# Altium PCB HV_DAC_8ch-DIOT.PCBDOC (part 10 of 11)
Units mm, origin at the board's own origin, x right, y up, seen from the top; angles counter-clockwise.
Board outline 222.63 x 100.1 mm, 8 copper layers (L1, L2, L3, P4, L5, L6, P7, L8), stack 1.563 mm thick; 971 components, 607 nets, 3066 pads, 1424 vias.
Unrouted connection lines stored in the file: 1.
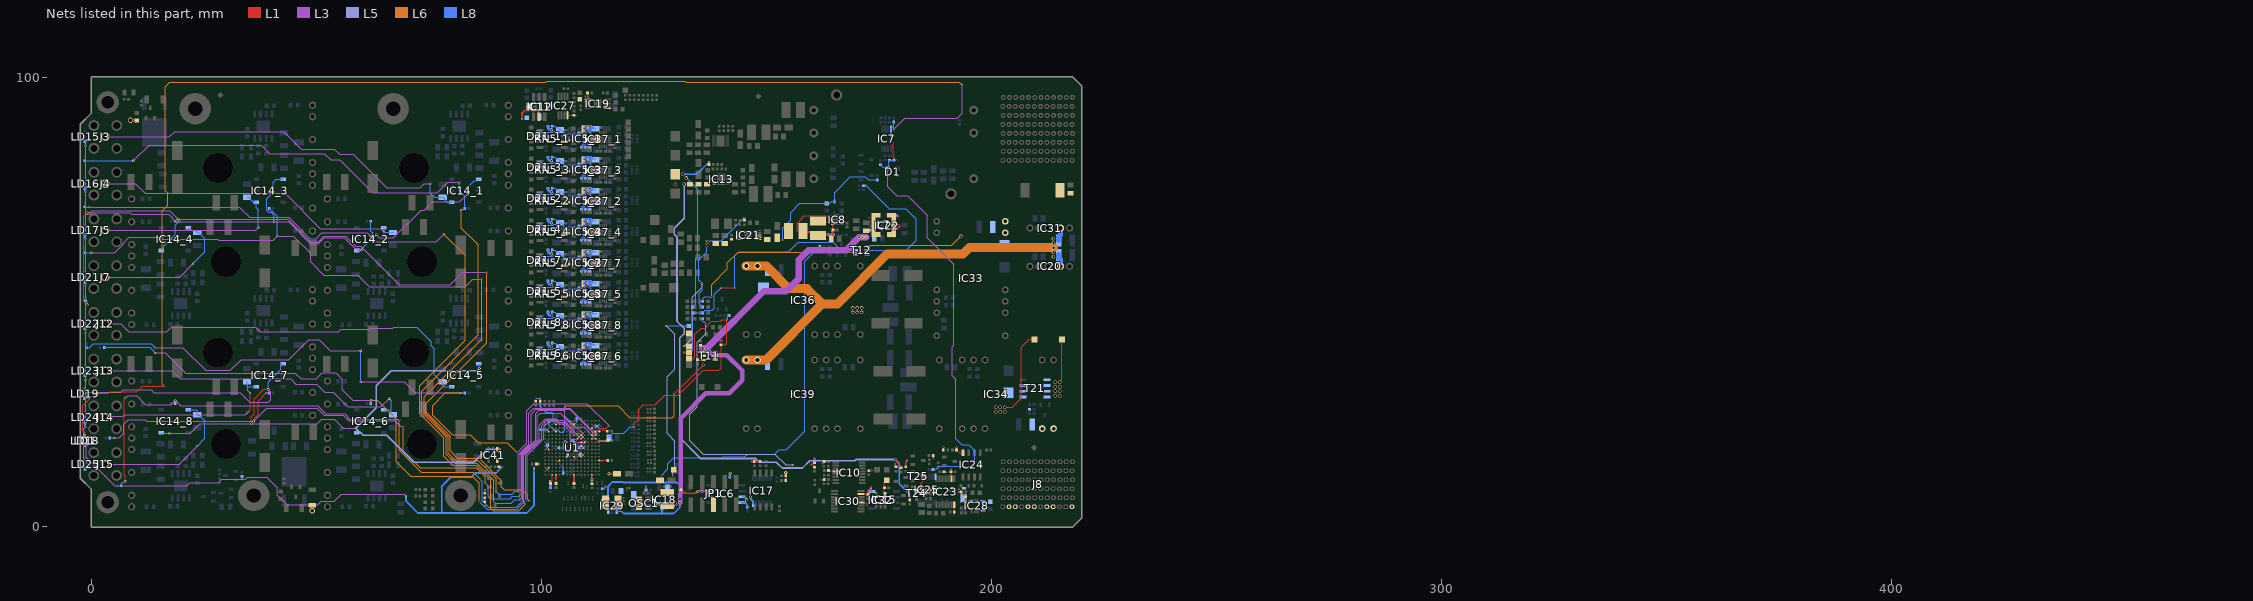
[diagram p16: the nets of this part, all layers, seen from the top]

## Via types
v1: diameter 0.4, hole 0.2, L1 to L8, tented both sides, 1016 vias
v2: diameter 0.8, hole 0.5, L1 to L8, tented both sides, 203 vias
v3: diameter 0.5, hole 0.2, L1 to L8, tented both sides, 117 vias
v4: diameter 0.7, hole 0.4, L1 to L8, tented both sides, 43 vias
v5: diameter 0.4, hole 0.2, L1 to L8, 32 vias
v6: diameter 0.5, hole 0.25, L1 to L8, 6 vias
v7: diameter 0.7, hole 0.4, L1 to L8, 5 vias
v8: diameter 1.2, hole 0.8, L1 to L8, tented both sides, 2 vias

## Nets (pads, with @x,y where several pads share a name; then routed paths per layer and width w, separated by ;. In a path a pad name is that pad's centre, name@x,y a point inside that pad or via, vN(x,y) a via of type N, cw(c..) or ccw(c..) an arc to the next point about the centre after c; other vN are vias at no path point) (continued)
NetR228_1: R228.1 T24.1 T25.3 | length 4.2
  L1 w0.15: T25.3@184.85,11.3 184.85,10.15 184.35,9.65 T24.1@184.35,8.65 185.08,8.65 185.295,8.435 185.315,8.435 185.53,8.22 R228.1@185.53,8.2
NetR274_2: R274.2 R275.1 | length 1
  L1 w0.3: R275.1@87.4,5.57 R274.2@87.4,6.53
NetR297_1_1: R297_1.1 RN5_1.2 | length 1.2
  L1 w0.127: RN5_1.2@105.053,85.636 105.197,85.779 105.942,85.779 R297_1.1@106.103,85.941
NetR297_2_1: R297_2.1 RN5_2.2 | length 1.2
  L1 w0.127: RN5_2.2@105.053,71.863 105.197,72.006 105.942,72.006 R297_2.1@106.103,72.168
NetR297_3_1: R297_3.1 RN5_3.2 | length 1.2
  L1 w0.127: RN5_3.2@105.053,78.749 105.197,78.893 105.942,78.893 R297_3.1@106.103,79.054
NetR297_4_1: R297_4.1 RN5_4.2 | length 1.2
  L1 w0.127: RN5_4.2@105.053,64.976 105.197,65.119 105.942,65.119 R297_4.1@106.103,65.281
NetR297_5_1: R297_5.1 RN5_5.2 | length 1.2
  L1 w0.127: RN5_5.2@105.053,51.203 105.197,51.346 105.942,51.346 R297_5.1@106.103,51.508
NetR297_6_1: R297_6.1 RN5_6.2 | length 1.2
  L1 w0.127: RN5_6.2@105.053,37.43 105.197,37.573 105.942,37.573 R297_6.1@106.103,37.735
NetR297_7_1: R297_7.1 RN5_7.2 | length 1.2
  L1 w0.127: RN5_7.2@105.053,58.089 105.197,58.233 105.942,58.233 R297_7.1@106.103,58.394
NetR297_8_1: R297_8.1 RN5_8.2 | length 1.2
  L1 w0.127: RN5_8.2@105.053,44.316 105.197,44.46 105.942,44.46 R297_8.1@106.103,44.621
OUT0: IC14_1.4 J3.1 R72_1.2 | length 86.1
  L3 w0.127: J3.1@3.04,86.71 17.295,86.71 18.439,87.854 42.721,87.854 46.575,84 53.97,84 55.134,82.836 58.164,82.836 65.6,75.4 73.053,75.4 73.953,76.3 v3(75.3,76.3)
  L8 w0.127: v3(75.3,76.3) 75.3,74.2 76.218,73.282 R72_1.2@78.035,73.282 78.119,73.282 78.63,72.77 78.63,72.489 78.928,72.192 IC14_1.4@80.067,72.192
OUT1: IC14_2.4 J4.1 R72_2.2 | length 69.5
  L3 w0.127: J4.1@3.04,76.323 9.677,76.323 11.859,74.141 42.987,74.141 50.832,66.296 64.203,66.296 v3(65,65.5)
  L8 w0.127: IC14_2.4@64.933,66.554 65,66.487 v3(65,65.5) 66.929,65.5 R72_2.2@66.965,65.464
OUT2: IC14_3.4 J5.1 R72_3.2 | length 42.7
  L3 w0.127: J5.1@3.04,65.936 36.511,65.936 v3(37.075,66.5)
  L8 w0.127: R72_3.2@34.535,73.282 34.86,73.282 35.804,72.338 36.421,72.338 IC14_3.4@36.567,72.192 36.567,71.01 37.075,70.502 v3(37.075,66.5)
OUT3: IC14_4.4 J7.1 R72_4.2 | length 32.2
  L3 w0.127: J7.1@3,55.548 19.549,55.548 v3(22.5,58.5)
  L8 w0.127: IC14_4.4@21.433,66.554 21.633,66.554 22.25,65.937 22.992,65.937 R72_4.2@23.465,65.464 23.79,65.464 25.167,64.087 25.167,61.166 v3(22.5,58.5)
OUT4: IC14_5.4 J12.1 R72_5.2 | length 88.9
  L3 w0.127: J12.1@3,45.161 6.463,45.161 8.226,43.398 16.639,43.398 17.641,44.4 36.5,44.4 37.464,43.436 54.962,43.436 55.512,43.986 61.786,43.986 62.022,44.222 66.949,44.222 67.127,44.4 v1(68.3,44.4)
  L8 w0.127: v1(68.3,44.4) 72.3,44.4 75.5,41.2 75.5,40.3 76.13,39.67 76.13,33.862 77.71,32.282 R72_5.2@78.035,32.282 78.035,31.402 78.245,31.192 IC14_5.4@80.067,31.192
OUT5: IC14_6.4 J13.1 R72_6.2 | length 72.8
  L3 w0.127: J13.1@3,34.774 17.804,34.774 19.679,32.9 44.2,32.9 45.4,31.7 50,31.7 51.8,29.9 53.7,29.9 56.9,26.7 64.296,26.7 v3(66.12,28.525)
  L8 w0.127: IC14_6.4@64.933,26.054 66.592,26.054 ; v3(66.12,28.525) 66.12,28.478 66.592,28.007 66.592,26.054 ; R72_6.2@66.965,24.964 66.592,25.337 66.592,26.054
OUT6: IC14_7.4 J14.1 R72_7.2 | length 41.3
  L1 w0.127: v3(34.662,25.5) 35.208,26.045 v3(35.208,29.795)
  L3 w0.127: J14.1@3,24.387 3.283,24.67 6.97,24.67 7.279,24.979 34.141,24.979 v3(34.662,25.5)
  L8 w0.127: R72_7.2@34.535,32.282 34.535,31.319 34.662,31.192 34.73,31.192 ; v3(35.208,29.795) 34.73,30.272 34.73,31.192 ; IC14_7.4@36.567,31.192 34.73,31.192
OUT7: IC14_8.4 J15.1 R72_8.2 | length 33.7
  L3 w0.127: J15.1@3,14 19.465,14 v3(23.465,18)
  L8 w0.127: IC14_8.4@21.433,26.054 23.255,26.054 23.465,25.844 R72_8.2@23.465,24.964 23.79,24.964 25.167,23.587 25.167,19.701 v3(23.465,18)
OUT_CTRLn0: R118_1.1 R278.2 U1.L3 | length 221.9
  L1 w0.127: U1.L3@111.2,19.6 v1(111.6,20)
  L3 w0.1: v1(95.2,6.1) 95.592,6.492 95.592,16.176 98.7,19.284 98.7,25.2 99.4,25.9 105,25.9 105.2,25.7 105.2,24.621 107.594,22.227 109.373,22.227 v1(111.6,20)
  L3 w0.127: v3(9.25,81.402) 12.748,84.9 37.7,84.9 39.6,83 51.75,83 53.134,81.616 55.184,81.616 62.5,74.3 76.8,74.3 79.1,76.6 v3(81.7,76.6)
  L6 w0.1: v3(82.165,70.442) 82.165,66.435 85.9,62.7 85.9,42.7 73.4,30.2 73.4,25.5 78.8,20.1 78.8,16.2 80.8,14.2 85.6,14.2 89.4,10.4 v1(89.4,5.7)
  L8 w0.1: v1(89.4,5.7) 89.4,5.6 89.7,5.3 93.3,5.3 94.1,6.1 v1(95.2,6.1)
  L8 w0.127: R278.2@-1.524,81.445 -1.503,81.423 9.228,81.423 v3(9.25,81.402) ; v3(81.7,76.6) 81.7,74.709 82.937,73.472 R118_1.1@82.937,70.795 82.937,70.775 82.749,70.586 82.411,70.586 82.266,70.442 v3(82.165,70.442)
OUT_CTRLn1: R118_2.1 R279.2 U1.L6 | length 205.4
  L1 w0.127: U1.L6@108.8,19.6 v1(109.2,20)
  L3 w0.1: v1(96.4,5.1) 96.1,5.4 96.1,16.042 99.5,19.442 99.5,22.667 100.887,24.054 103.288,24.054 103.642,23.7 104.921,23.7 107.127,21.494 107.127,21.273 107.6,20.8 108.4,20.8 v1(109.2,20)
  L3 w0.127: v3(-0.496,71.128) 32.835,71.128 35.163,68.8 43.8,68.8 48.5,64.1 49.9,64.1 51.154,65.354 61.246,65.354 v3(61.9,64.7) 63.2,63.4 76.6,63.4 v1(78.3,65.1)
  L6 w0.1: v1(78.3,65.1) 83,60.4 83,41.5 72.9,31.4 72.9,25.2 78.3,19.8 78.3,15.7 80.3,13.7 85.5,13.7 88.7,10.5 88.7,4.2 89.3,3.6 94.9,3.6 v1(96.4,5.1)
  L8 w0.127: R279.2@-1.524,71.158 -1.494,71.128 v3(-0.496,71.128) v3@-0.511,71.143 ; v3(61.9,64.7) 62.446,65.246 62.446,65.372 62.063,65.755 R118_2.1@62.063,67.951
OUT_CTRLn2: R118_3.1 R280.2 U1.M2 | length 208
  L1 w0.127: U1.M2@112,20.421 112.026,20.421 112.287,20.681 v1(112.292,20.681)
  L3 w0.1: v1(94.8,7.9) 94.8,16.026 97.2,18.426 97.2,25.3 98.254,26.354 106.326,26.354 111.049,21.632 111.342,21.632 v1(112.292,20.681)
  L3 w0.127: v3(-0.092,60.968) 5.119,60.968 6.971,62.82 6.971,63.072 8.279,64.381 15.451,64.381 15.819,64.014 27.98,64.014 28.222,63.771 40.383,63.771 v3(41.292,64.681) 44.84,64.681 48.671,60.85 48.671,58.929 51.6,56 59.1,56 61.7,53.4 83,53.4 84.7,55.1 v1(86.7,55.1)
  L6 w0.1: v1(86.7,55.1) 86.7,41.7 73.9,28.9 73.9,25.5 79.3,20.1 79.3,16.4 80.983,14.717 85.883,14.717 89.9,10.7 89.9,9.3 v1(89.9,7.9)
  L8 w0.1: v1(89.9,7.9) 90.5,7.3 93.5,7.3 94.1,7.9 v1(94.8,7.9)
  L8 w0.127: R280.2@-1.524,60.998 -1.494,60.968 v3(-0.092,60.968) v3@-0.107,60.983 ; R118_3.1@39.437,70.795 39.437,70.775 39.958,70.254 40.063,70.254 41.292,69.025 v3(41.292,64.681)
OUT_CTRLn3: R118_4.1 R281.2 U1.K5 | length 224.2
  L1 w0.127: v3(-0.916,49.446) -1.016,49.446 -1.191,49.621 -1.274,49.621 -1.797,50.144 -1.797,69.053 v3(-0.916,69.934) ; U1.K5@109.6,18.821 109.61,18.821 109.952,19.162 v1(109.952,19.173)
  L3 w0.1: v1(97.3,5.7) 96.8,6.2 96.8,15.9 100.5,19.6 100.5,22.3 101.8,23.6 103.1,23.6 103.8,22.9 104.7,22.9 106.4,21.2 106.4,19.6 107.2,18.8 109.579,18.8 v1(109.952,19.173)
  L3 w0.127: v3(-0.916,69.934) -0.367,69.934 -0.001,70.3 17.357,70.3 19.246,68.411 43.568,68.411 48.678,63.3 50.339,63.3 51.636,64.597 56.447,64.597 58.673,62.371 59.847,62.371 68.418,53.8 79.7,53.8 82.5,56.6 v1(87.8,56.6)
  L6 w0.1: v1(87.8,56.6) 87.8,40.9 74.3,27.4 74.3,25.6 79.7,20.2 79.7,16.9 81.3,15.3 86.1,15.3 91.1,10.3 91.1,8.9 91.7,8.3 95.6,8.3 96.9,7 96.9,6.1 v1(97.3,5.7)
  L8 w0.127: R281.2@-1.399,50.28 -1.379,50.28 -1.153,50.053 -1.153,49.784 -0.916,49.547 v3(-0.916,49.446) ; R118_4.1@18.563,67.951 18.563,67.971 18.947,68.355 19.159,68.355 v3(19.231,68.426)
OUT_CTRLn4: R118_5.1 R282.2 U1.N2 | length 165.8
  L1 w0.127: U1.N2@112,21.2 112.409,21.61 113.096,21.61 113.395,21.908 114.362,21.908 114.954,22.5 v1(115,22.5)
  L3 w0.1: v1(94.6,16.5) 96.7,18.6 96.7,25.8 98.3,27.4 110.1,27.4 v1(115,22.5)
  L3 w0.127: v3(14.045,39.894) 20.206,39.894 25.3,34.8 30.8,34.8 33.2,37.2 43.8,37.2 48.209,41.609 50.591,41.609 53,39.2 v3(59.8,39.2) ; v3(59.787,32.25) 69.517,32.25 71.972,29.795 v3(82.165,29.795)
  L6 w0.127: v3(82.165,29.795) 78.595,29.795 75.8,27 75.8,24.8 80.1,20.5 84.1,20.5 85.9,18.7 92.4,18.7 v1(94.6,16.5)
  L8 w0.127: R282.2@-0.924,40.036 R282.2@-1.15,39.81 -0.59,39.81 0.3,40.7 13.239,40.7 v3(14.045,39.894) v3@13.944,39.894 ; v3(59.787,32.25) 59.787,39.187 v3(59.8,39.2) ; v3(82.165,29.795) R118_5.1@82.937,29.795
OUT_CTRLn5: R118_6.1 R283.2 U1.L7 | length 150
  L1 w0.127: U1.L7@108.004,19.621 108.356,19.973 v1(108.356,19.99)
  L3 w0.1: v1(96.5,5.9) 96.5,16.121 100,19.621 100,22.5 101.327,23.827 103.194,23.827 103.721,23.3 104.9,23.3 106.7,21.5 106.7,21.1 107.3,20.5 107.846,20.5 v1(108.356,19.99)
  L3 w0.127: v3(14.1,38.7) 16.4,38.7 20.9,34.2 45.3,34.2 46.6,32.9 49.9,32.9 51.3,34.3 54.2,34.3 55.7,32.8 55.7,30.5 58.019,28.181 v3(62.146,28.181)
  L6 w0.1: v3(62.146,28.181) 63.519,28.181 67.7,24 67.7,14.5 70.9,11.3 84.6,11.3 86.2,9.7 v1(86.2,5.6)
  L8 w0.1: v1(86.2,5.6) 87.9,3.9 94.5,3.9 v1(96.5,5.9)
  L8 w0.127: R283.2@2.77,39.9 12.9,39.9 v3(14.1,38.7) ; R118_6.1@62.063,27.451 62.104,27.492 62.104,28.139 v3(62.146,28.181)
OUT_CTRLn6: R118_7.1 R284.2 U1.M3 | length 153.7
  L1 w0.127: v3(36,23.5) 36,23.9 37.008,24.908 37.008,28.003 v3(38.8,29.795) ; U1.M3@111.2,20.421 111.202,20.421 111.561,20.78 v1(111.561,20.799)
  L3 w0.1: v1(95,6.8) 95.3,7.1 95.3,16.205 97.7,18.605 97.7,25.1 98.727,26.127 106.232,26.127 v1(111.561,20.799)
  L3 w0.127: v3(5,19.8) 6.1,19.8 7.121,20.821 7.121,22.871 8.093,23.843 11.906,23.843 12.25,23.5 v3(36,23.5) 38.869,26.369 50.131,26.369 51.7,24.8 55.9,24.8 57.1,23.6 67.4,23.6 68.6,22.4 v1(69.3,22.4)
  L6 w0.1: v1(69.3,22.4) 69.3,16.9 73,13.2 85.5,13.2 87.5,11.2 v1(87.5,9.8)
  L8 w0.1: v1(87.5,9.8) 88.2,9.1 88.2,6.7 88.6,6.3 93,6.3 93.5,6.8 v1(95,6.8)
  L8 w0.127: R284.2@4.026,19.8 v3(5,19.8) ; v3(38.8,29.795) R118_7.1@39.437,29.795
OUT_CTRLn7: R118_8.1 R285.2 U1.M6 | length 160.6
  L1 w0.127: v3(7.5,10.144) 7.5,11.298 7.287,11.51 7.287,28.428 7.5,28.64 v3(7.5,28.721) ; U1.M6@108.8,20.421 108.817,20.421 109.152,20.756 v1@109.152,20.773
  L3 w0.1: v1(95.4,5.4) 95.819,5.819 95.819,16.082 99.1,19.363 99.1,24.7 99.7,25.3 104.2,25.3 107.5,22 107.997,22 v1(109.195,20.803)
  L3 w0.127: v3(7.5,28.721) 7.979,29.2 10,29.2 12,27.2 17.661,27.2 v3(18.593,28.132) 19.825,26.9 50.3,26.9 52,25.2 56.2,25.2 57.4,24 68,24 v1(68.4,23.6)
  L6 w0.1: v1(68.4,23.6) 68.4,17.1 73.3,12.2 84.866,12.2 v1@86.533,10.533
  L8 w0.1: v1(86.5,10.5) 86.8,10.2 86.8,5.8 88.227,4.373 94.373,4.373 v1(95.4,5.4)
  L8 w0.127: R285.2@6.612,9.144 6.612,9.644 7.059,10.092 7.448,10.092 v3(7.5,10.144) ; R118_8.1@18.563,27.451 18.593,27.481 v3(18.593,28.132)
OUT_SW_VCC: IC14_1.1 IC14_2.1 IC14_3.1 IC14_4.1 IC14_5.1 IC14_6.1 IC14_7.1 IC14_8.1 IC41.1 LD15.2 LD16.2 LD17.2 LD21.2 LD22.2 LD23.2 LD24.2 LD25.2 | length 385.8
  L1 w0.127: v3(35.5,23) 35.5,24.5 36.1,25.1 36.1,28.4 38.297,30.597 v3(39.25,30.597)
  L1 w0.3: IC41.1@90.152,17.295 90.795,17.295 v1(90.8,17.3)
  L3 w0.127: v3@-1.356,63.852 v3(-1.356,53.665) v3(-1.356,43.115) v3(-1.356,32.75) -1.356,29.902 ; v3(-1.356,64.014) -1.356,69.494 ; v3(-1.356,84.75) v3(-1.356,74.47) -1.356,69.494 ; v3(-0.405,13.165) -0.405,13.654 -1.75,15 -1.75,21.856 v3(-1.356,22.25) -1.356,29.902 ; v3(17.242,20.864) 21.864,20.864 24,23 v3(35.5,23) 50.168,23 51.168,24 53.882,24 55.882,22 v3(58.75,22) ; v3(39.25,30.597) 39.854,29.993 39.854,29.742 39.75,29.638 39.75,28.284 39.216,27.75 38.5,27.75 38.481,27.769 35.107,27.769 32.991,29.884 13.816,29.884 13.2,30.5 7,30.5 6.403,29.902 -1.356,29.902 ; v3(59.98,61.5) 59.48,62 58.5,62 56.156,64.343 51.741,64.343 50.398,63 48.619,63 43.759,67.86 v3(40.504,67.86) v3(19.5,67.86) 18.74,67.86 17.1,69.5 8.895,69.5 8.529,69.866 -0.076,69.866 -0.448,69.494 -1.356,69.494 ; v3(63.25,65) 63.97,64.279 67.024,64.279 73.209,70.465 73.965,70.465 75.75,72.25 81.864,72.25 83.57,73.956 v3(83.57,73.982)
  L5 w0.3: v3(86.25,35.25) 85.7,34.7 66.6,34.7 63.3,31.4 63.3,26.55 v3(58.75,22) 60.35,20.4 65.6,20.4 71.6,14.4 84.9,14.4 87.8,17.3 v1(90.8,17.3)
  L8 w0.127: LD25.2@-1.5,13 -1.335,13.165 v3(-0.405,13.165) ; LD24.2@-1.5,23.387 -1.5,22.495 -1.356,22.351 v3(-1.356,22.25) ; LD23.2@-1.5,33.774 -1.356,33.63 v3(-1.356,32.75) ; LD22.2@-1.5,44.161 -1.356,44.017 v3(-1.356,43.115) ; LD21.2@-1.5,54.548 -1.356,54.404 v3(-1.356,53.665) ; LD17.2@-1.5,64.936 -1.5,64.259 -1.356,64.115 v3(-1.356,64.014) ; LD16.2@-1.5,75.323 -1.5,74.715 -1.356,74.571 v3(-1.356,74.47) ; LD15.2@-1.5,85.71 -1.356,85.566 v3(-1.356,84.75) ; IC14_8.1@15.433,20.974 15.543,20.864 v3(17.242,20.864) ; IC14_4.1@15.433,61.474 15.633,61.474 15.969,61.81 15.969,62.406 18.563,65 18.563,67.081 19.341,67.86 v3(19.5,67.86) ; v3(39.25,30.597) 39.25,32.123 42.031,34.903 42.031,35.935 42.367,36.272 IC14_7.1@42.567,36.272 ; v3(40.504,67.86) 40.504,69.454 39.958,70 39.363,70 38.957,70.406 38.957,72.987 40.363,74.394 40.363,76.587 41.048,77.272 IC14_3.1@42.567,77.272 ; v3(58.75,22) 58.75,21.899 58.933,21.716 IC14_6.1@58.933,20.974 ; IC14_2.1@58.933,61.474 58.959,61.5 v3(59.98,61.5) 60.051,61.571 60.051,61.801 v3(63.25,65) ; v3(83.57,73.982) 83.57,75.478 85.027,76.935 85.731,76.935 IC14_1.1@86.067,77.272 ; IC14_5.1@86.067,36.272 86.067,35.534 86.25,35.351 v3(86.25,35.25)
P1V2: C22.2 C23.2 C24.2 C25.2 C72.2 C73.1 C74.2 C75.2 C82.1 L1.2 R76.2 R111.1 R112.2 R145.1 R234.2 TP5.1 U1.A14 U1.F6 U1.F10 U1.K6 U1.K10 U1.L2 | length 80.2
  L1 w0.127: v1(101.888,10.211) 101.888,9.762 C23.2@102,9.65 102.246,9.896 102.246,10.017 102.4,10.17 102.4,11.493 U1.A14@102.413,11.506 ; v1(105.258,19.126) 105.266,19.126 105.592,18.8 U1.K10@105.6,18.8 ; v1(105.283,15.265) 105.283,15.274 105.6,15.591 U1.F10@105.6,15.6 ; U1.F6@108.8,15.621 108.821,15.621 109.152,15.952 v1@109.152,15.973 ; U1.K6@108.8,18.8 108.8,18.804 109.169,19.173 v1(109.169,19.177) ; U1.L2@112,19.6 112,19.583 112.379,19.204 v1(112.379,19.187) ; v1@112.395,19.202 114.554,19.202 C22.2@114.605,19.253
  L1 w0.2: v1(120.543,22.228) 120.543,22.943 121.6,24 121.6,26.2 122.6,27.2 125.3,27.2 127.4,29.3 130.4,29.3 135.9,34.8 139.4,34.8 139.925,35.325 R145.1@139.925,40.48 140.88,40.48 141.2,40.8 v1(141.2,46.1) 140.2,46.1 139.8,45.7 137.717,45.7 137.2,45.183 137.2,45 136.4,44.2 135.5,44.2 134.1,42.8 134.1,37.8 133.7,37.4 TP5.1@132.8,37.4
  L8 w0.1: v1(104.4,13.6) 104.83,13.17 R112.2@104.83,12
  L8 w0.127: 101.879,9.398 101.888,9.407 v1(101.888,10.211) ; R111.1@104.089,17.577 104.096,17.584 105.134,17.584 C75.2@105.15,17.6 ; R112.2@104.654,12.136 R112.2@104.739,12.051 ; C75.2@105.181,17.678 105.072,17.678 104.904,17.846 104.904,18.191 104.893,18.202 104.893,18.761 v1(105.258,19.126) ; 105.335,15.485 105.766,15.916 C24.2@105.766,15.926 ; C25.2@108.55,16 v1(109.2,16) ; v1(112.379,19.187) 112.395,19.202 114.579,19.202 C72.2@114.605,19.228 ; R234.2@113.5,8.47 113.97,8.47 114.188,8.688 114.188,8.938 v1(114.241,8.99)
  L8 w0.2: C72.2@115.019,19.838 115.019,20.013 115.806,20.8 118.3,20.8 119.728,22.228 v1(120.543,22.228) ; v1(141.2,46.1) 141.2,46.137 141.38,46.317 141.38,46.69 141.67,46.98 R76.2@141.67,47
  L8 w0.508: v1(101.888,10.211) 102,10.099 C74.2@102,8.75
  other v1: 118.2,5.1 118.2,5.8 118.196,6.477 118.876,8.161 119.075,8.663 119.583,8.663
P1V2LX: IC29.3 L1.1 | length 0.1
  L1 w0.127: L1.1@114.175,5.505 L1.1@114.25,5.43
  other v1: 113.8,3.7 114.3,3.7
P2V5: C33.1 C43.2 C76.2 C78.2 C79.2 C80.2 C258.1 L15.2 R152.2 R162.1 R381.2 TP10.1 U1.E1 U1.E12 U1.G6 U1.J6 U1.N1 | length 129.5
  L1 w0.127: C78.2@98.85,14 98.866,14.016 v1(99.466,14.016) ; v1@103.648,14.427 103.648,14.448 103.979,14.779 U1.E12@104,14.779 ; v1@108.427,16.752 108.448,16.752 108.779,16.421 U1.G6@108.779,16.4 ; U1.J6@108.8,18.021 108.824,18.021 109.152,18.349 v1@109.152,18.373
  L1 w0.254: U1.E1@112.8,14.8 C43.2@114.7,14.8 ; U1.N1@112.8,21.2 112.828,21.228 113.211,21.228 113.257,21.273 v1(113.296,21.273) ; v1@113.316,21.237 113.364,21.285 113.388,21.285 113.693,21.59 114.069,21.59 114.195,21.465 114.442,21.465 C80.2@114.625,21.282
  L5 w0.2: v1(127.7,44.7) 129.6,42.8 129.6,35.1 127.9,33.4 127.9,20.8 129.6,19.1 129.6,13.3 129.2,12.9 v1(129.2,11.4)
  L8 w0.127: C79.2@108.375,17.601 v1@108.375,18.351 ; v1@108.587,18.313 C76.2@109.283,17.618
  L8 w0.2: v1(126.6,11.4) 128.1,12.9 128.1,14.1 129.4,15.4 140.2,15.4 140.4,15.6 145.2,15.6 145.8,16.2 151.9,16.2 152.9,17.2 154.4,17.2 158.5,21.3 158.5,59.07 161.62,62.19 161.64,62.19 161.83,62.38 R162.1@161.83,62.4 ; v1(127.7,44.7) R152.2@132.7,44.7
  L8 w0.254: R381.2@123.25,8.22 v1(123.25,9) ; v1(127.25,9) C258.1@127.75,9 ; C258.1@128.25,9 v1(128.75,9)
  other v1: 103.6,14.4 113.318,14.707 108.4,16.8 108.408,18.389 109.195,18.389
P2V5LX: IC18.3 L15.1 | length 5.9
  L1 w0.254: v1(129.75,4.5) 128.286,4.5 L15.1@127.991,4.795 128.483,5.288 129.364,5.288 129.624,5.028 129.972,5.028 v1(130,5)
  L8 w0.254: IC18.3@128.55,5.05 128.75,5.05 129.327,5.05 129.75,4.627 v1(129.75,4.5) ; 129.908,5.191 130,5.099 v1(130,5)
  other v1: 129.801,5.485
P3V3: C16.2 C17.2 C52.1 C53.2 C54.2 C55.2 C56.2 C57.2 C67.2 C70.2 C71.2 C85.2 C86.2 C170.2 IC6.3 IC6.7 IC6.8 IC41.5 JP1.6 LD1.2 LD18.2 LD19.2 OSC1.1 OSC1.4 R36.1 R49.2 R50.2 R51.1 R52.1 R53.1 R54.1 R74.1 R78.1 R103.2 R159.1 R204.2 T12.1 T12.2 T12.5 T12.6 TP11.1 U1.A3 U1.A8 U1.A13 U1.C15 U1.F8 U1.H10 U1.H15 U1.K8 U1.N15 U1.P3 U1.R8 U1.R13 | length 302.9
  L1 w0.1: v1(131.7,38.8) TP11.1@132.8,38.8
  L1 w0.15: v1(-0.5,19.6) -0.548,19.648 -0.548,19.848 -0.894,20.194 LD18.2@-1.6,20.194 -1.6,21.1 -2,21.5 -2,26.9 -0.5,28.4 v1(-0.5,28.8)
  L1 w0.2: v1(139.9,53.2) v1(143,53.2)
  L1 w0.254: v1(98.7,28.6) 98.7,27.96 R36.1@98.71,27.95 ; v1(99.7,28.6) 99.7,27.96 R53.1@99.71,27.95 ; v1(101.295,17.475) 101.31,17.475 101.585,17.2 U1.H15@101.6,17.2 ; v1@102.827,23.152 102.848,23.152 U1.R13@103.2,22.8 ; v1(105.258,16.866) 105.262,16.866 105.596,17.2 U1.H10@105.6,17.2 ; U1.K8@107.2,18.8 107.552,19.152 v1@107.552,19.172 ; U1.R8@107.2,22.8 v1@107.552,23.152 ; U1.P3@111.2,22 111.21,22 111.61,22.4 v1(111.619,22.4) ; OSC1.1@121.66,4.455 121.66,5.938 OSC1.4@122.022,6.299 ; OSC1.4@122.022,6.325 122.047,6.299 v1(122.631,6.299)
  L1 w0.381: v1@101.191,12.791 U1.C15@101.6,13.2 ; v1@101.2,21.601 U1.N15@101.6,21.201 ; C71.2@103.2,9.65 103.267,9.717 103.267,10.702 103.2,10.769 U1.A13@103.2,11.6 ; C57.2@107.2,9.65 107.21,9.66 107.21,11.065 107.212,11.067 107.204,11.075 107.204,11.596 U1.A8@107.2,11.6 ; U1.F8@107.2,15.6 v1(107.6,15.2) ; C70.2@111.2,9.6 111.19,9.61 111.19,11.59 U1.A3@111.2,11.6 ; v4(114.98,11.817) 116.643,11.817 C52.1@116.802,11.976 ; R51.1@131,8.28 131.02,8.28 131.8,7.5 134.134,7.5 134.559,7.925 v4(134.645,7.925) 136.3,7.925 138.001,6.223 JP1.6@138.151,6.223 ; R49.2@154.292,10.363 R50.2@154.292,11.379 v4(154.292,12.065) ; v1(178.598,13.94) 178.598,13.935 178.659,13.874 178.659,13.448 178.758,13.348 R78.1@178.778,13.348 ; R74.1@180.988,13.349 180.988,14.502 181.238,14.752 v1(181.238,14.757)
  L3 w0.15: v1(-0.5,19.6) -1.2,18.9 -1.2,15.5 5.14,9.16 21.16,9.16 21.8,9.8 28.1,9.8 28.93,10.63 v1(33.4,10.63) 34.13,10.63 34.6,11.1 38.9,11.1 41.3,8.7 41.3,7.1 43.5,4.9 50.2,4.9 51,5.7 53.9,5.7 55.5,7.3 69.5,7.3 v1(69.9,6.9)
  L3 w0.381: v1(178.598,13.94) v1@178.598,13.945
  L8 w0.1: v1(131.7,38.8) 133.1,38.8 133.67,39.37 R159.1@133.67,47.6
  L8 w0.127: v1(172.151,75.882) 177.333,70.7 181,70.7 183.3,68.4 183.3,63.7 181.1,61.5 T12.5@172.4,61.5
  L8 w0.15: LD1.2@-1.6,18.193 -0.907,18.193 -0.5,18.6 v1(-0.5,19.6) ; LD19.2@-1.6,28.58 -0.72,28.58 v1(-0.5,28.8)
  L8 w0.2: R159.1@133.67,47.6 R54.1@135.83,47.6 135.83,47.62 136.02,47.81 136.04,47.81 136.43,48.2 138,48.2 138.4,48.6 138.4,51.7 v1(139.9,53.2) ; v1(143,53.2) 143,60.3 143.9,61.2 155,61.2 157.1,63.3 164.8,63.3 166.2,61.9 168.2,61.9 168.6,61.5 T12.2@169.8,61.5
  L8 w0.254: v1(33.4,10.63) R52.1@33.4,11.23 ; v1(98.7,28.6) v1(99.7,28.6) 99.7,26.7 100.9,25.5 102.3,25.5 102.6,25.2 102.6,23.4 v1(102.827,23.173) 102.827,23.177 C54.2@103.3,23.65 ; C85.2@122.26,5.325 122.26,5.889 122.631,6.26 v1(122.631,6.299) ; R103.2@171.586,75.883 v1(172.151,75.882)
  L8 w0.381: C53.2@99.923,21.602 v1(101.2,21.602) ; v1@101.285,17.481 101.29,17.475 v1(101.295,17.475) 101.295,17.48 101.3,17.485 C55.2@101.3,18.25 ; C56.2@106.8,19.25 106.846,19.204 107.596,19.204 v1(107.6,19.2) ; 107.725,23.351 107.725,23.981 C16.2@107.844,24.1 ; v1(111.619,22.4) C67.2@112.35,22.4 ; v4(134.645,7.925) 134.691,7.97 135.631,7.97 C17.2@135.636,7.976 ; C17.2@135.7,8.015 135.72,7.996 137.115,7.996 IC6.3@137.16,7.95 ; IC6.3@137.643,8.001 IC6.3@137.863,8.001 ; R204.2@141.821,11.125 141.881,11.185 141.881,11.809 v4(141.94,11.869) ; IC6.8@144.28,5.545 144.389,5.436 IC6.8@144.589,5.436 144.698,5.326 145.424,5.326 145.631,5.119 145.631,4.569 C86.2@145.75,4.45 ; IC6.7@144.805,6.731 145.063,6.731 145.506,6.288 145.506,6.132 v4(145.567,6.071) 145.567,6.02 IC6.8@145.11,5.563
  L8 w0.4: v1(69.9,6.9) 69.9,5.7 72.5,3.1 96.7,3.1 98.3,4.7 v1(98.3,12.5) v1(98.3,13.1) ; 77.8,3.1 77.8,9.1 79.8,11.1 84.4,11.1 85.3,12 89.9,12 v1(90.6,12.7) v1(91.3,13.4)
  other v1: 103.271,10.278 107.213,11.06 101.2,12.802 107.569,23.19
  other v2: 169.2,47.7 170.2,47.7 171.2,47.7 169.2,48.7 170.2,48.7 171.2,48.7
  other v4: 111.23,10.501
P3V3_buck: C81.2 C110.2 C121.2 C257.2 IC18.4 IC29.1 IC29.4 L7.2 R17.2 R23.2 R151.2 T11.4 T12.4 | length 140.6
  L3 w1: v4(130.8,5.4) v4(130.8,6.2) 130.8,7.4 131,7.6 131,24.2 136.5,29.7 141.7,29.7 144.6,32.6 144.6,34.8 141.2,38.2 138.1,38.2 v4(136.6,39.7)
  L3 w1.5: v4(135.8,39.7) v4(136.6,39.7) ; v4@136.7,39.7 149.4,52.4 154.4,52.4 157.2,55.2 157.2,59.4 159.3,61.5 167.7,61.5 v7(170.6,64.4) v7(171.4,64.4) v7(172.2,64.4)
  L8 w0.381: C81.2@113.5,5.95 113.55,6 114.75,6 IC29.4@114.8,6.05 114.8,9.05 115.75,10 118,10 118.108,9.892 130.108,9.892 131,9 131,7.3 130.8,7.1 v4(130.8,5.4) 130.8,4.435 129.362,2.997 127.965,2.997 ; IC29.1@116.7,3.45 116.75,3.5 117.747,3.5 118.25,2.997 127.965,2.997 ; IC18.4@125.95,5.05 126.06,4.94 126.31,4.94 126.681,4.569 C257.2@126.681,4.069 ; 126.75,3 126.8,3.05 C257.2@126.8,4
P3V3_DIOT: C11.2 C95.2 C109.1 D7.2 IC23.2 IC23.14 IC24.8 IC28.5 R171.2 R183.2 R187.1 R222.1 R224.1 R225.1 R228.2 R229.1 | length 11.9
  L1 w0.15: R183.2@191.03,12.3 191.03,10.77 IC23.2@191.1,10.7 ; R229.1@193.33,7.8 193.33,7.78 193.545,7.565 193.565,7.565 193.8,7.33 193.8,7.2 194.055,6.945 194.055,6.915 R222.1@194.27,6.7 R187.1@194.27,5.6
  L1 w0.2: R228.2@186.47,8.2 v1(186.47,8.75) ; v1(187.07,15.35) R171.2@187.07,15.9 ; R225.1@189.33,17.1 v1(189.33,17.65) ; R224.1@189.47,12.3 v1(190.02,12.3) ; R183.2@191.03,12.3 v1(191.03,12.85) ; v1(191.75,2.75) C11.2@191.75,3.3 IC23.14@191.75,4.9 ; v1(192.25,17.65) C95.2@192.25,17.1 192.75,16.6 192.9,16.6 193,16.5 IC24.8@193.695,16.5 ; v1(192.78,7.8) R229.1@193.33,7.8